# KiCad board hvd-50-ce-panel.kicad_pcb (continued)
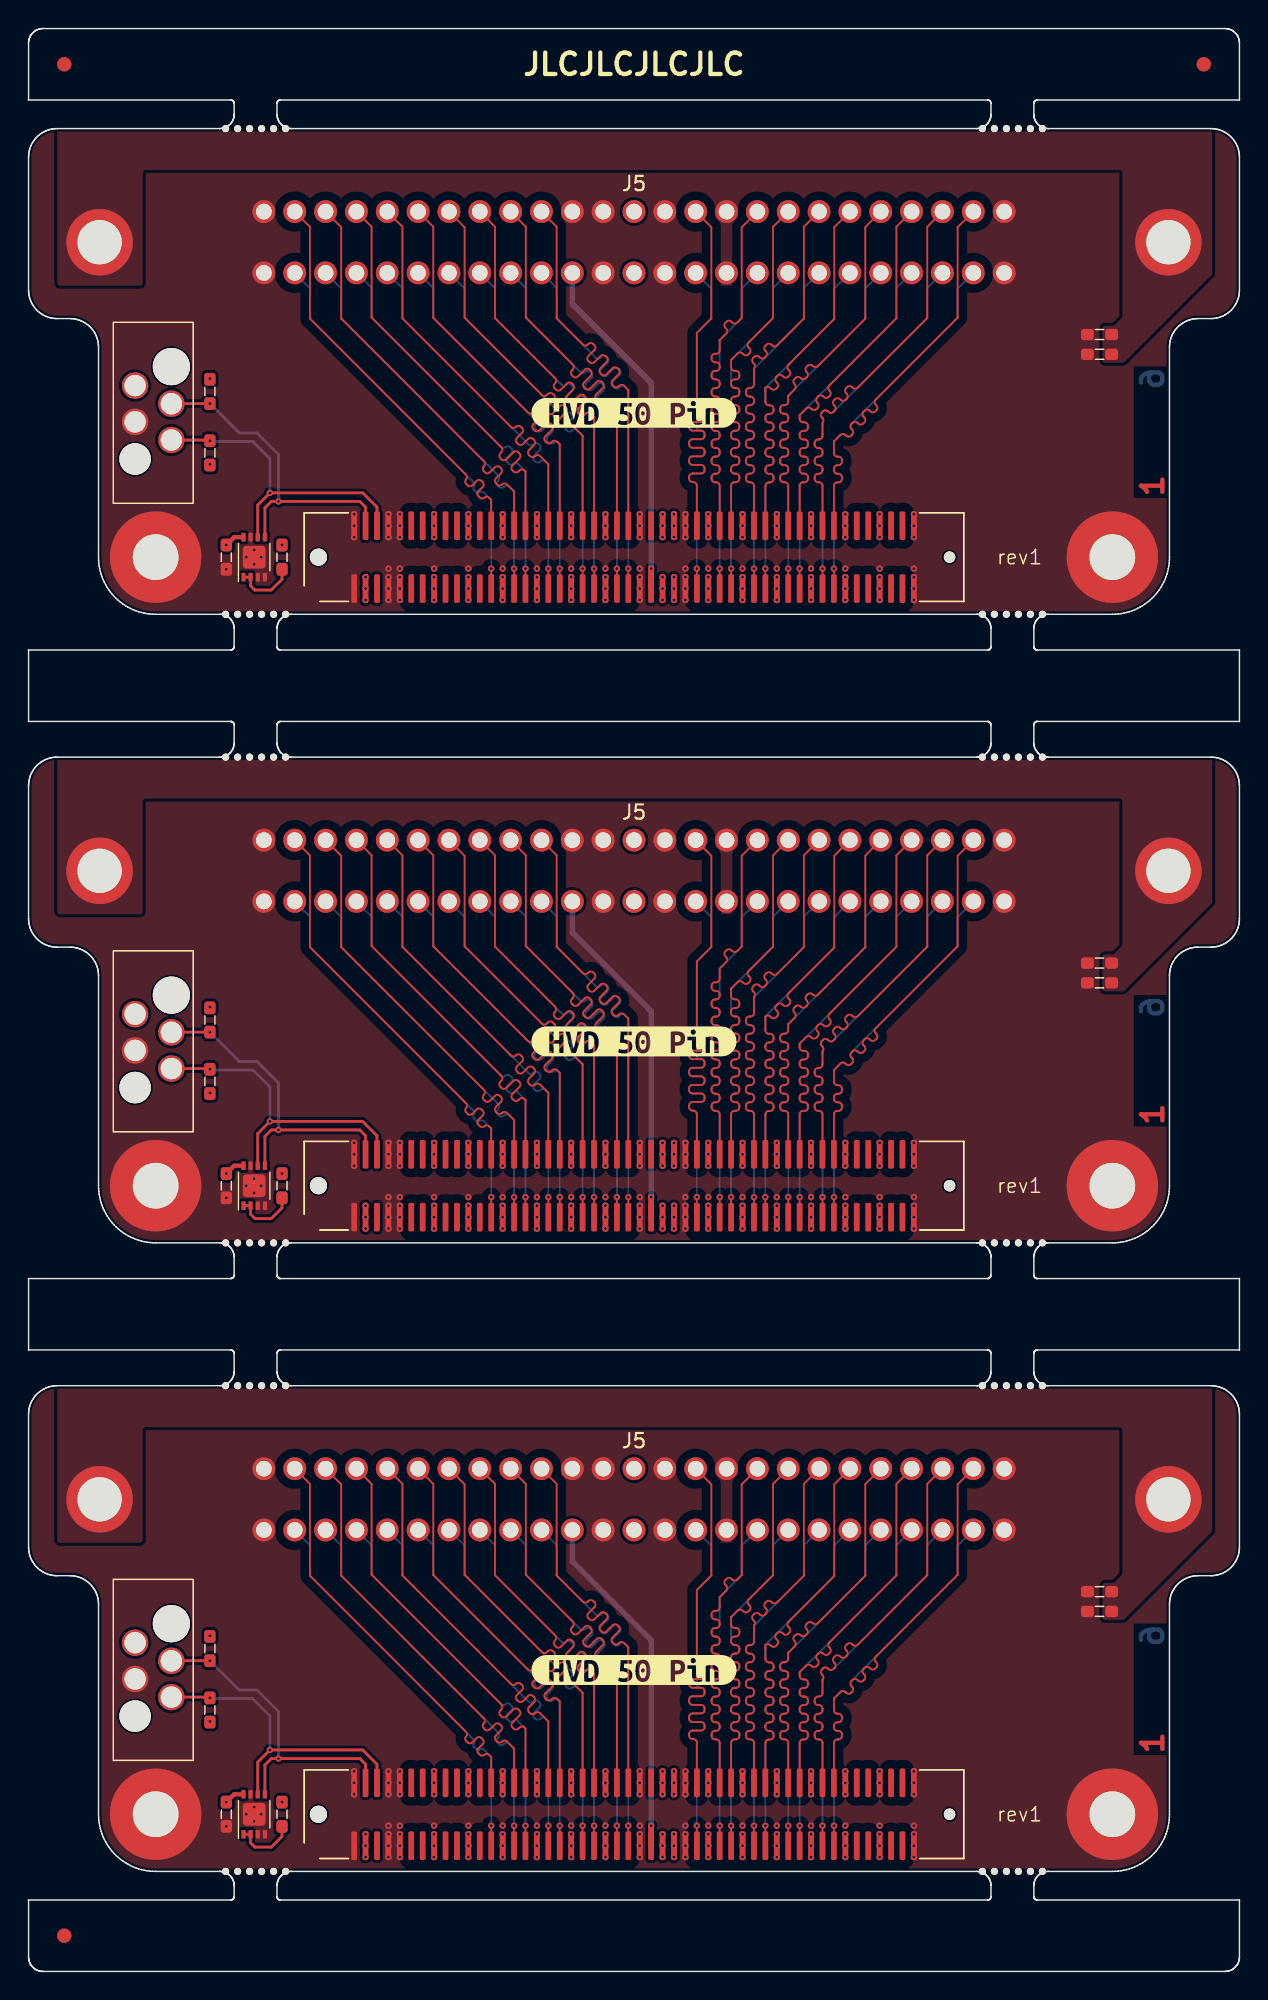
[diagram p0: board, top side]
## Routing (per net, layer and track width the routed paths; a pad name or vN(x,y) marks a point on that pad's centre or on a via; arc(x,y) is an arc through that point) (continued)
Board_0-/CON.ATN+: length 28.2
  Top w0.128: J1#2.61 v1(46.8,98.2)
  Bottom w0.128: J5#2.15 47.81,117.81 47.81,115.71 46.8,114.7 46.8,108.1 arc(46.87,107.93) 47.04,107.86 47.12,107.86 arc(47.29,107.79) 47.36,107.62 47.36,107.5 arc(47.29,107.33) 47.12,107.26 46.48,107.26 arc(46.31,107.19) 46.24,107.02 46.24,106.9 arc(46.31,106.73) 46.48,106.66 47.12,106.66 arc(47.29,106.59) 47.36,106.42 47.36,106.3 arc(47.29,106.13) 47.12,106.06 46.48,106.06 arc(46.31,105.99) 46.24,105.82 46.24,105.7 arc(46.31,105.53) 46.48,105.46 47.12,105.46 arc(47.29,105.39) 47.36,105.22 47.36,105.1 arc(47.29,104.93) 47.12,104.86 46.48,104.86 arc(46.31,104.79) 46.24,104.62 46.24,104.5 arc(46.31,104.33) 46.48,104.26 46.56,104.26 arc(46.73,104.19) 46.8,104.02 v1(46.8,98.2)
Board_0-/CON.ATN-: length 29.6
  Top w0.128: J1#2.62 46.8,104.02 arc(46.73,104.19) 46.56,104.26 46.5,104.26 arc(46.33,104.33) 46.26,104.5 46.26,104.62 arc(46.33,104.79) 46.5,104.86 47.1,104.86 arc(47.27,104.93) 47.34,105.1 47.34,105.22 arc(47.27,105.39) 47.1,105.46 46.5,105.46 arc(46.33,105.53) 46.26,105.7 46.26,105.82 arc(46.33,105.99) 46.5,106.06 47.1,106.06 arc(47.27,106.13) 47.34,106.3 47.34,106.42 arc(47.27,106.59) 47.1,106.66 46.5,106.66 arc(46.33,106.73) 46.26,106.9 46.26,107.02 arc(46.33,107.19) 46.5,107.26 47.1,107.26 arc(47.27,107.33) 47.34,107.5 47.34,107.62 arc(47.27,107.79) 47.1,107.86 46.5,107.86 arc(46.33,107.93) 46.26,108.1 46.26,108.22 arc(46.33,108.39) 46.5,108.46 47.1,108.46 arc(47.27,108.53) 47.34,108.7 47.34,108.82 arc(47.27,108.99) 47.1,109.06 47.04,109.06 arc(46.87,109.13) 46.8,109.3 46.8,114.7 47.82,115.72 47.82,122.1 J5#2.40
Board_0-/CON.BSY+: length 28.2
  Top w0.128: J1#2.65 v1(48.4,98.2)
  Bottom w0.128: v1(48.4,98.2) 48.4,104.01 arc(48.33,104.18) 48.16,104.25 48.08,104.25 arc(47.91,104.32) 47.84,104.49 47.84,104.61 arc(47.91,104.78) 48.08,104.85 48.16,104.85 arc(48.33,104.92) 48.4,105.09 48.4,105.21 arc(48.33,105.38) 48.16,105.45 48.08,105.45 arc(47.91,105.52) 47.84,105.69 47.84,105.81 arc(47.91,105.98) 48.08,106.05 48.16,106.05 arc(48.33,106.12) 48.4,106.29 48.4,106.41 arc(48.33,106.58) 48.16,106.65 48.08,106.65 arc(47.91,106.72) 47.84,106.89 47.84,107.01 arc(47.91,107.18) 48.08,107.25 48.16,107.25 arc(48.33,107.32) 48.4,107.49 48.4,107.61 arc(48.33,107.78) 48.16,107.85 48.08,107.85 arc(47.91,107.92) 47.84,108.09 47.84,108.21 arc(47.91,108.38) 48.08,108.45 48.16,108.45 arc(48.33,108.52) 48.4,108.69 48.4,108.81 arc(48.33,108.98) 48.16,109.05 48.08,109.05 arc(47.91,109.12) 47.84,109.29 47.84,109.41 arc(47.91,109.58) 48.08,109.65 48.16,109.65 arc(48.33,109.72) 48.4,109.89 48.4,110.01 arc(48.33,110.18) 48.16,110.25 48.08,110.25 arc(47.91,110.32) 47.84,110.49 47.84,110.61 arc(47.91,110.78) 48.08,110.85 48.16,110.85 arc(48.33,110.92) 48.4,111.09 48.4,111.21 arc(48.33,111.38) 48.16,111.45 48.08,111.45 arc(47.91,111.52) 47.84,111.69 47.84,111.81 arc(47.91,111.98) 48.08,112.05 48.16,112.05 arc(48.33,112.12) 48.4,112.29 48.4,114.2 49.94,115.74 49.94,117.8 J5#2.17
Board_0-/CON.BSY-: length 29.6
  Top w0.128: J5#2.42 49.94,122.1 49.94,115.75 49.62,115.43 arc(49.45,115.35) 49.28,115.43 49.22,115.49 arc(49.05,115.56) 48.88,115.49 48.8,115.4 arc(48.73,115.23) 48.8,115.06 48.86,115 arc(48.93,114.83) 48.86,114.66 48.4,114.2 48.4,113.48 arc(48.33,113.31) 48.16,113.24 48.07,113.24 arc(47.9,113.17) 47.83,113 47.83,112.88 arc(47.9,112.71) 48.07,112.64 48.16,112.64 arc(48.33,112.57) 48.4,112.4 48.4,112.28 arc(48.33,112.11) 48.16,112.04 48.07,112.04 arc(47.9,111.97) 47.83,111.8 47.83,111.68 arc(47.9,111.51) 48.07,111.44 48.16,111.44 arc(48.33,111.37) 48.4,111.2 48.4,111.08 arc(48.33,110.91) 48.16,110.84 48.07,110.84 arc(47.9,110.77) 47.83,110.6 47.83,110.48 arc(47.9,110.31) 48.07,110.24 48.16,110.24 arc(48.33,110.17) 48.4,110 48.4,109.88 arc(48.33,109.71) 48.16,109.64 48.07,109.64 arc(47.9,109.57) 47.83,109.4 47.83,109.28 arc(47.9,109.11) 48.07,109.04 48.16,109.04 arc(48.33,108.97) 48.4,108.8 48.4,108.68 arc(48.33,108.51) 48.16,108.44 48.07,108.44 arc(47.9,108.37) 47.83,108.2 47.83,108.08 arc(47.9,107.91) 48.07,107.84 48.16,107.84 arc(48.33,107.77) 48.4,107.6 48.4,107.48 arc(48.33,107.31) 48.16,107.24 48.07,107.24 arc(47.9,107.17) 47.83,107 47.83,106.88 arc(47.9,106.71) 48.07,106.64 48.16,106.64 arc(48.33,106.57) 48.4,106.4 48.4,106.28 arc(48.33,106.11) 48.16,106.04 48.07,106.04 arc(47.9,105.97) 47.83,105.8 47.83,105.68 arc(47.9,105.51) 48.07,105.44 48.16,105.44 arc(48.33,105.37) 48.4,105.2 48.4,105.08 arc(48.33,104.91) 48.16,104.84 48.07,104.84 arc(47.9,104.77) 47.83,104.6 47.83,104.48 arc(47.9,104.31) 48.07,104.24 48.16,104.24 arc(48.33,104.17) 48.4,104 J1#2.66
Board_0-/CON.C/D+: length 28.2
  Top w0.128: J1#2.79 v1(54,98.2)
  Bottom w0.128: J5#2.22 60.77,117.83 60.77,115.72 54,108.95 54,108.69 arc(54.07,108.52) 54.24,108.45 54.32,108.45 arc(54.49,108.38) 54.56,108.21 54.56,108.09 arc(54.49,107.92) 54.32,107.85 54.24,107.85 arc(54.07,107.78) 54,107.61 54,107.49 arc(54.07,107.32) 54.24,107.25 54.32,107.25 arc(54.49,107.18) 54.56,107.01 54.56,106.89 arc(54.49,106.72) 54.32,106.65 54.24,106.65 arc(54.07,106.58) 54,106.41 54,106.29 arc(54.07,106.12) 54.24,106.05 54.32,106.05 arc(54.49,105.98) 54.56,105.81 54.56,105.69 arc(54.49,105.52) 54.32,105.45 54.24,105.45 arc(54.07,105.38) 54,105.21 54,105.09 arc(54.07,104.92) 54.24,104.85 54.32,104.85 arc(54.49,104.78) 54.56,104.61 54.56,104.49 arc(54.49,104.32) 54.32,104.25 54.24,104.25 arc(54.07,104.18) 54,104.01 v1(54,98.2)
Board_0-/CON.C/D-: length 29.6
  Top w0.128: J5#2.47 60.78,122.13 60.78,115.73 56.16,111.11 56.07,111.02 arc(56,110.85) 56.07,110.68 56.11,110.64 arc(56.18,110.47) 56.11,110.3 56.03,110.22 arc(55.86,110.15) 55.69,110.22 55.65,110.26 arc(55.48,110.33) 55.31,110.26 55.22,110.17 arc(55.15,110) 55.22,109.83 55.26,109.79 arc(55.33,109.62) 55.26,109.45 55.18,109.37 arc(55.01,109.3) 54.84,109.37 54.8,109.41 arc(54.63,109.48) 54.46,109.41 54,108.95 54,108.68 arc(54.07,108.51) 54.24,108.44 54.35,108.44 arc(54.52,108.37) 54.59,108.2 54.59,108.08 arc(54.52,107.91) 54.35,107.84 54.24,107.84 arc(54.07,107.77) 54,107.6 54,107.48 arc(54.07,107.31) 54.24,107.24 54.35,107.24 arc(54.52,107.17) 54.59,107 54.59,106.88 arc(54.52,106.71) 54.35,106.64 54.24,106.64 arc(54.07,106.57) 54,106.4 54,106.28 arc(54.07,106.11) 54.24,106.04 54.35,106.04 arc(54.52,105.97) 54.59,105.8 54.59,105.68 arc(54.52,105.51) 54.35,105.44 54.24,105.44 arc(54.07,105.37) 54,105.2 54,105.08 arc(54.07,104.91) 54.24,104.84 54.35,104.84 arc(54.52,104.77) 54.59,104.6 54.59,104.48 arc(54.52,104.31) 54.35,104.24 54.24,104.24 arc(54.07,104.17) 54,104 J1#2.80
Board_0-/CON.DB0+: length 28.2
  Top w0.128: J1#2.25 v1(32.4,98.2)
  Bottom w0.128: J5#2.2 19.7,117.84 19.7,115.7 31.19,104.21 arc(31.24,104.09) 31.19,103.96 arc(31.14,103.84) 31.19,103.72 31.37,103.54 arc(31.49,103.49) 31.61,103.54 arc(31.74,103.59) 31.86,103.54 32.4,103 v1(32.4,98.2)
Board_0-/CON.DB0-: length 29.6
  Top w0.128: J1#2.26 32.4,103.01 32.24,103.17 arc(32.08,103.23) 31.93,103.17 arc(31.77,103.1) 31.61,103.17 31.49,103.28 arc(31.42,103.44) 31.49,103.6 31.81,103.92 arc(31.88,104.08) 31.81,104.24 31.71,104.35 arc(31.55,104.41) 31.38,104.35 31.07,104.03 arc(30.91,103.96) 30.75,104.03 30.64,104.13 arc(30.58,104.29) 30.64,104.45 arc(30.71,104.61) 30.64,104.77 19.7,115.71 19.7,122.13 J5#2.27
Board_0-/CON.DB1+: length 28.2
  Top w0.128: J1#2.29 v1(34,98.2)
  Bottom w0.128: J5#2.3 21.9,117.8 21.9,115.7 32.9,104.71 arc(32.97,104.54) 32.9,104.37 32.87,104.34 arc(32.8,104.17) 32.87,104 32.95,103.91 arc(33.12,103.84) 33.29,103.91 33.32,103.94 arc(33.49,104.01) 33.66,103.94 34,103.6 v1(34,98.2)
Board_0-/CON.DB1-: length 29.6
  Top w0.128: J5#2.28 21.9,122.1 21.9,115.71 31.81,105.8 31.89,105.71 arc(31.96,105.54) 31.89,105.37 31.88,105.36 arc(31.81,105.19) 31.88,105.02 31.96,104.94 arc(32.13,104.87) 32.3,104.94 32.67,105.3 arc(32.84,105.37) 33.01,105.3 33.09,105.22 arc(33.16,105.05) 33.09,104.88 32.73,104.51 arc(32.66,104.34) 32.73,104.17 32.81,104.09 arc(32.98,104.02) 33.15,104.09 33.16,104.1 arc(33.33,104.17) 33.5,104.1 34,103.6 J1#2.30
Board_0-/CON.DB2+: length 28.2
  Top w0.128: J1#2.31 v1(34.8,98.2)
  Bottom w0.128: J5#2.4 24.03,117.84 24.03,115.78 33.1,106.71 arc(33.25,106.64) 33.41,106.71 arc(33.56,106.77) 33.72,106.71 33.83,106.59 arc(33.9,106.44) 33.83,106.28 33.52,105.97 arc(33.45,105.82) 33.52,105.66 33.65,105.53 arc(33.8,105.47) 33.96,105.53 arc(34.11,105.6) 34.27,105.53 34.8,105 v1(34.8,98.2)
Board_0-/CON.DB2-: length 29.6
  Top w0.128: J5#2.29 24.02,122.13 24.02,115.78 33.11,106.69 arc(33.18,106.52) 33.11,106.35 33.04,106.27 arc(32.97,106.1) 33.04,105.93 33.12,105.85 arc(33.29,105.77) 33.46,105.85 33.96,106.34 arc(34.13,106.41) 34.3,106.34 34.38,106.26 arc(34.45,106.09) 34.38,105.92 33.88,105.42 arc(33.81,105.25) 33.88,105.08 33.97,105 arc(34.14,104.93) 34.31,105 34.39,105.08 arc(34.56,105.15) 34.73,105.08 34.8,105 J1#2.32
Board_0-/CON.DB3+: length 28.2
  Top w0.128: J1#2.35 v1(36.4,98.2)
  Bottom w0.128: J5#2.5 26.18,117.84 26.18,115.72 35.01,106.9 arc(35.18,106.83) 35.35,106.9 35.37,106.92 arc(35.54,106.99) 35.71,106.92 35.79,106.83 arc(35.86,106.66) 35.79,106.49 35.41,106.11 arc(35.34,105.94) 35.41,105.77 35.49,105.69 arc(35.66,105.62) 35.83,105.69 35.85,105.71 arc(36.02,105.78) 36.19,105.71 36.4,105.5 v1(36.4,98.2)
Board_0-/CON.DB3-: length 29.6
  Top w0.128: J1#2.36 36.4,105.5 35.82,106.08 arc(35.65,106.15) 35.48,106.08 35.47,106.07 arc(35.3,106) 35.13,106.07 35.04,106.15 arc(34.97,106.32) 35.04,106.49 35.41,106.86 arc(35.48,107.03) 35.41,107.2 35.32,107.28 arc(35.15,107.35) 34.98,107.28 34.62,106.92 arc(34.45,106.85) 34.28,106.92 34.19,107 arc(34.12,107.17) 34.19,107.34 34.56,107.71 arc(34.63,107.88) 34.56,108.05 34.47,108.13 arc(34.31,108.2) 34.14,108.13 34.12,108.12 arc(33.95,108.05) 33.78,108.12 26.18,115.72 26.18,122.13 J5#2.30
Board_0-/CON.DB4+: length 28.2
  Top w0.128: J1#2.37 v1(37.2,98.2)
  Bottom w0.128: v1(37.2,98.2) 37.2,106.9 37.1,107 arc(36.94,107.07) 36.77,107 arc(36.61,106.93) 36.44,107 36.34,107.1 arc(36.27,107.27) 36.34,107.43 36.67,107.76 arc(36.74,107.93) 36.67,108.09 36.58,108.18 arc(36.41,108.25) 36.25,108.18 35.92,107.86 arc(35.75,107.79) 35.59,107.86 35.49,107.95 arc(35.43,108.12) 35.49,108.28 arc(35.56,108.44) 35.49,108.61 28.35,115.75 28.35,117.83 J5#2.6
Board_0-/CON.DB4-: length 29.6
  Top w0.128: J1#2.38 37.2,106.9 37.01,107.09 arc(36.84,107.16) 36.67,107.09 36.61,107.03 arc(36.44,106.96) 36.27,107.03 36.18,107.11 arc(36.11,107.28) 36.18,107.45 36.65,107.92 arc(36.72,108.09) 36.65,108.26 36.56,108.34 arc(36.4,108.41) 36.23,108.34 35.76,107.88 arc(35.59,107.81) 35.42,107.88 35.34,107.96 arc(35.27,108.13) 35.34,108.3 35.8,108.77 arc(35.87,108.94) 35.8,109.11 35.72,109.19 arc(35.55,109.26) 35.38,109.19 35.31,109.13 arc(35.14,109.06) 34.97,109.13 28.34,115.76 28.34,122.13 J5#2.31
Board_0-/CON.DB5+: length 28.2
  Top w0.128: J1#2.41 v1(38.8,98.2)
  Bottom w0.128: J5#2.7 30.54,117.8 30.54,115.76 36.73,109.58 36.81,109.49 arc(36.88,109.32) 36.81,109.15 36.79,109.13 arc(36.72,108.96) 36.79,108.79 36.88,108.71 arc(37.05,108.64) 37.22,108.71 37.59,109.09 arc(37.76,109.16) 37.93,109.09 38.02,109 arc(38.09,108.83) 38.02,108.66 37.64,108.28 arc(37.57,108.11) 37.64,107.94 37.73,107.86 arc(37.9,107.79) 38.06,107.86 38.08,107.88 arc(38.25,107.95) 38.42,107.88 38.8,107.5 v1(38.8,98.2)
Board_0-/CON.DB5-: length 29.6
  Top w0.128: J1#2.42 38.8,107.5 37.99,108.31 arc(37.82,108.38) 37.65,108.31 37.57,108.23 arc(37.4,108.16) 37.23,108.23 37.14,108.31 arc(37.07,108.48) 37.14,108.65 37.65,109.16 arc(37.72,109.33) 37.65,109.5 37.56,109.58 arc(37.4,109.65) 37.23,109.58 36.72,109.08 arc(36.55,109.01) 36.38,109.08 36.3,109.16 arc(36.23,109.33) 36.3,109.5 36.8,110.01 arc(36.87,110.18) 36.8,110.35 36.72,110.43 arc(36.55,110.5) 36.38,110.43 36.29,110.35 arc(36.12,110.28) 35.95,110.35 35.87,110.43 30.54,115.77 30.54,122.1 J5#2.32
Board_0-/CON.DB6+: length 28.2
  Top w0.128: J1#2.43 v1(39.6,98.2)
  Bottom w0.128: v1(39.6,98.2) 39.6,108.8 39.37,109.04 arc(39.2,109.1) 39.03,109.04 arc(38.86,108.97) 38.69,109.04 38.6,109.12 arc(38.53,109.29) 38.6,109.46 38.94,109.8 arc(39.01,109.97) 38.94,110.13 38.85,110.22 arc(38.69,110.29) 38.52,110.22 38.18,109.89 arc(38.01,109.82) 37.84,109.89 37.76,109.97 arc(37.69,110.14) 37.76,110.31 38.09,110.65 arc(38.16,110.81) 38.09,110.98 38,111.07 arc(37.84,111.14) 37.67,111.07 arc(37.5,111) 37.33,111.07 32.66,115.74 32.66,117.84 J5#2.8
Board_0-/CON.DB6-: length 29.6
  Top w0.128: J5#2.33 32.66,122.13 32.66,115.74 36.88,111.52 arc(36.95,111.35) 36.88,111.18 36.85,111.15 arc(36.78,110.98) 36.85,110.81 36.93,110.73 arc(37.1,110.66) 37.27,110.73 37.71,111.17 arc(37.88,111.24) 38.05,111.17 38.13,111.08 arc(38.2,110.91) 38.13,110.74 37.7,110.3 arc(37.63,110.13) 37.7,109.96 37.78,109.88 arc(37.95,109.81) 38.12,109.88 38.56,110.32 arc(38.73,110.39) 38.9,110.32 38.98,110.23 arc(39.05,110.06) 38.98,109.89 38.51,109.42 arc(38.44,109.25) 38.51,109.08 38.59,109 arc(38.76,108.92) 38.93,109 39,109.06 arc(39.17,109.13) 39.34,109.06 39.6,108.8 J1#2.44
Board_0-/CON.DB7+: length 28.2
  Top w0.128: J1#2.47 v1(41.2,98.2)
  Bottom w0.128: v1(41.2,98.2) 41.2,109.4 40.68,109.92 arc(40.51,109.99) 40.34,109.92 40.33,109.9 arc(40.16,109.83) 39.99,109.9 39.9,109.99 arc(39.83,110.16) 39.9,110.33 40.28,110.7 arc(40.35,110.87) 40.28,111.04 40.19,111.13 arc(40.02,111.2) 39.85,111.13 39.48,110.75 arc(39.31,110.68) 39.14,110.75 39.05,110.83 arc(38.98,111) 39.05,111.17 39.43,111.55 arc(39.5,111.72) 39.43,111.89 39.34,111.97 arc(39.17,112.04) 39,111.97 38.99,111.96 arc(38.82,111.89) 38.65,111.96 34.82,115.78 34.82,117.84 J5#2.9
Board_0-/CON.DB7-: length 29.6
  Top w0.128: J1#2.48 41.2,109.4 40.58,110.02 arc(40.41,110.09) 40.24,110.02 40.17,109.95 arc(40,109.88) 39.83,109.95 39.75,110.04 arc(39.68,110.21) 39.75,110.38 40.22,110.86 arc(40.29,111.03) 40.22,111.2 40.14,111.28 arc(39.97,111.35) 39.8,111.28 39.32,110.8 arc(39.15,110.73) 38.98,110.8 38.9,110.89 arc(38.83,111.06) 38.9,111.23 39.38,111.7 arc(39.45,111.87) 39.38,112.04 39.29,112.13 arc(39.12,112.2) 38.95,112.13 38.47,111.65 arc(38.3,111.58) 38.13,111.65 38.05,111.74 arc(37.98,111.91) 38.05,112.08 38.12,112.14 arc(38.19,112.31) 38.12,112.48 34.82,115.78 34.82,122.13 J5#2.34
Board_0-/CON.DIFFSENSE: length 24.4
  Top w0.4: J1#2.53 v1(43.6,98.2)
  Bottom w0.4: v1(43.6,98.2) 43.6,111.2 38.08,116.72 J5#2.11
Board_0-/CON.DP0+: length 28.2
  Top w0.128: J1#2.49 v1(42,98.2)
  Bottom w0.128: J5#2.10 36.98,117.84 36.98,115.72 39.72,112.98 arc(39.89,112.91) 40.06,112.98 40.13,113.05 arc(40.3,113.12) 40.47,113.05 40.56,112.96 arc(40.63,112.79) 40.56,112.62 40.08,112.15 arc(40.01,111.98) 40.08,111.81 40.16,111.72 arc(40.33,111.65) 40.5,111.72 40.98,112.2 arc(41.15,112.27) 41.32,112.2 41.4,112.11 arc(41.47,111.94) 41.4,111.77 40.93,111.3 arc(40.86,111.13) 40.93,110.96 41.01,110.87 arc(41.18,110.8) 41.35,110.87 41.42,110.94 arc(41.59,111.01) 41.76,110.94 42,110.7 v1(42,98.2)
Board_0-/CON.DP0-: length 29.6
  Top w0.128: J5#2.35 36.98,122.13 36.98,115.72 38.82,113.88 arc(38.99,113.81) 39.16,113.88 39.21,113.93 arc(39.38,114) 39.55,113.93 39.63,113.84 arc(39.7,113.67) 39.63,113.5 39.2,113.07 arc(39.13,112.9) 39.2,112.73 39.28,112.65 arc(39.45,112.58) 39.62,112.65 40.05,113.08 arc(40.22,113.15) 40.39,113.08 40.48,113 arc(40.55,112.83) 40.48,112.66 40.05,112.22 arc(39.98,112.05) 40.05,111.88 40.13,111.8 arc(40.3,111.73) 40.47,111.8 40.9,112.23 arc(41.07,112.3) 41.24,112.23 41.33,112.15 arc(41.4,111.98) 41.33,111.81 40.89,111.37 arc(40.82,111.21) 40.89,111.04 40.98,110.95 arc(41.15,110.88) 41.32,110.95 41.37,111 arc(41.54,111.07) 41.7,111 42,110.7 J1#2.50
Board_0-/CON.I/O+: length 28.2
  Top w0.128: J1#2.85 v1(56.4,98.2)
  Bottom w0.128: J5#2.24 65.06,117.8 65.06,115.76 57.71,108.41 57.62,108.33 arc(57.55,108.16) 57.62,107.99 57.67,107.94 arc(57.74,107.77) 57.67,107.6 57.59,107.51 arc(57.42,107.44) 57.25,107.51 57.2,107.56 arc(57.03,107.63) 56.86,107.56 56.4,107.1 56.4,106.29 arc(56.47,106.12) 56.64,106.05 56.71,106.05 arc(56.88,105.97) 56.95,105.81 56.95,105.69 arc(56.88,105.52) 56.71,105.45 56.64,105.45 arc(56.47,105.37) 56.4,105.21 56.4,105.09 arc(56.47,104.92) 56.64,104.85 56.71,104.85 arc(56.88,104.77) 56.95,104.61 56.95,104.49 arc(56.88,104.32) 56.71,104.25 56.64,104.25 arc(56.47,104.17) 56.4,104.01 v1(56.4,98.2)
Board_0-/CON.I/O-: length 29.6
  Top w0.128: J5#2.49 65.06,122.1 65.06,115.77 59.41,110.11 59.32,110.02 arc(59.25,109.85) 59.32,109.68 59.38,109.62 arc(59.45,109.45) 59.38,109.28 59.3,109.2 arc(59.13,109.13) 58.96,109.2 58.9,109.26 arc(58.73,109.33) 58.56,109.26 58.47,109.17 arc(58.4,109) 58.47,108.83 58.53,108.77 arc(58.6,108.6) 58.53,108.44 58.45,108.35 arc(58.28,108.28) 58.11,108.35 58.05,108.41 arc(57.88,108.48) 57.71,108.41 57.62,108.33 arc(57.55,108.16) 57.62,107.99 57.68,107.93 arc(57.75,107.76) 57.68,107.59 57.6,107.5 arc(57.43,107.43) 57.26,107.5 57.2,107.56 arc(57.03,107.63) 56.86,107.56 56.4,107.1 56.4,106.28 arc(56.47,106.11) 56.64,106.04 56.72,106.04 arc(56.89,105.97) 56.96,105.8 56.96,105.68 arc(56.89,105.51) 56.72,105.44 56.64,105.44 arc(56.47,105.37) 56.4,105.2 56.4,105.08 arc(56.47,104.91) 56.64,104.84 56.72,104.84 arc(56.89,104.77) 56.96,104.6 56.96,104.48 arc(56.89,104.31) 56.72,104.24 56.64,104.24 arc(56.47,104.17) 56.4,104 J1#2.86
Board_0-/CON.MSG+: length 28.2
  Top w0.128: J1#2.73 v1(51.6,98.2)
  Bottom w0.128: v1(51.6,98.2) 51.6,104 arc(51.67,104.17) 51.84,104.24 51.93,104.24 arc(52.1,104.31) 52.17,104.48 52.17,104.6 arc(52.1,104.77) 51.93,104.84 51.84,104.84 arc(51.67,104.91) 51.6,105.08 51.6,105.2 arc(51.67,105.37) 51.84,105.44 51.93,105.44 arc(52.1,105.51) 52.17,105.68 52.17,105.8 arc(52.1,105.97) 51.93,106.04 51.84,106.04 arc(51.67,106.11) 51.6,106.28 51.6,106.4 arc(51.67,106.57) 51.84,106.64 51.93,106.64 arc(52.1,106.71) 52.17,106.88 52.17,107 arc(52.1,107.17) 51.93,107.24 51.84,107.24 arc(51.67,107.31) 51.6,107.48 51.6,107.6 arc(51.67,107.77) 51.84,107.84 51.93,107.84 arc(52.1,107.91) 52.17,108.08 52.17,108.2 arc(52.1,108.37) 51.93,108.44 51.84,108.44 arc(51.67,108.51) 51.6,108.68 51.6,108.8 arc(51.67,108.97) 51.84,109.04 51.93,109.04 arc(52.1,109.11) 52.17,109.28 52.17,109.4 arc(52.1,109.57) 51.93,109.64 51.84,109.64 arc(51.67,109.71) 51.6,109.88 51.6,110.85 56.42,115.67 56.42,117.8 J5#2.20
Board_0-/CON.MSG-: length 29.6
  Top w0.128: J1#2.74 51.6,103.99 arc(51.67,104.16) 51.84,104.23 51.94,104.23 arc(52.11,104.3) 52.18,104.47 52.18,104.59 arc(52.11,104.76) 51.94,104.83 51.84,104.83 arc(51.67,104.9) 51.6,105.07 51.6,105.19 arc(51.67,105.36) 51.84,105.43 51.94,105.43 arc(52.11,105.5) 52.18,105.67 52.18,105.79 arc(52.11,105.96) 51.94,106.03 51.84,106.03 arc(51.67,106.1) 51.6,106.27 51.6,106.39 arc(51.67,106.56) 51.84,106.63 51.94,106.63 arc(52.11,106.7) 52.18,106.87 52.18,106.99 arc(52.11,107.16) 51.94,107.23 51.84,107.23 arc(51.67,107.3) 51.6,107.47 51.6,107.59 arc(51.67,107.76) 51.84,107.83 51.94,107.83 arc(52.11,107.9) 52.18,108.07 52.18,108.19 arc(52.11,108.36) 51.94,108.43 51.84,108.43 arc(51.67,108.5) 51.6,108.67 51.6,108.79 arc(51.67,108.96) 51.84,109.03 51.94,109.03 arc(52.11,109.1) 52.18,109.27 52.18,109.39 arc(52.11,109.56) 51.94,109.63 51.84,109.63 arc(51.67,109.7) 51.6,109.87 51.6,110.85 arc(51.77,110.92) 51.94,110.85 52.01,110.78 arc(52.18,110.71) 52.35,110.78 52.43,110.87 arc(52.5,111.04) 52.43,111.21 52.36,111.28 arc(52.29,111.45) 52.36,111.62 52.45,111.7 arc(52.62,111.77) 52.79,111.7 52.86,111.63 arc(53.03,111.56) 53.2,111.63 53.28,111.72 arc(53.35,111.89) 53.28,112.06 53.21,112.12 arc(53.14,112.29) 53.21,112.46 56.42,115.68 56.42,122.1 J5#2.45
Board_0-/CON.REQ+: length 28.2
  Top w0.128: J1#2.83 v1(55.6,98.2)
  Bottom w0.128: J5#2.23 62.94,117.84 62.94,115.74 56.45,109.25 56.36,109.17 arc(56.19,109.1) 56.02,109.17 55.99,109.2 arc(55.82,109.27) 55.65,109.2 55.56,109.12 arc(55.49,108.95) 55.56,108.78 55.6,108.74 arc(55.67,108.57) 55.6,108.4 55.6,107.47 arc(55.53,107.3) 55.36,107.23 55.31,107.23 arc(55.14,107.16) 55.07,106.99 55.07,106.87 arc(55.14,106.7) 55.31,106.63 55.36,106.63 arc(55.53,106.56) 55.6,106.39 55.6,106.27 arc(55.53,106.1) 55.36,106.03 55.31,106.03 arc(55.14,105.96) 55.07,105.79 55.07,105.67 arc(55.14,105.5) 55.31,105.43 55.36,105.43 arc(55.53,105.36) 55.6,105.19 55.6,105.07 arc(55.53,104.9) 55.36,104.83 55.31,104.83 arc(55.14,104.76) 55.07,104.59 55.07,104.47 arc(55.14,104.3) 55.31,104.23 55.36,104.23 arc(55.53,104.16) 55.6,103.99 v1(55.6,98.2)
Board_0-/CON.REQ-: length 29.6
  Top w0.128: J1#2.84 55.6,104 arc(55.53,104.17) 55.36,104.24 55.29,104.24 arc(55.12,104.31) 55.05,104.48 55.05,104.6 arc(55.12,104.77) 55.29,104.84 55.36,104.84 arc(55.53,104.91) 55.6,105.08 55.6,105.2 arc(55.53,105.37) 55.36,105.44 55.29,105.44 arc(55.12,105.51) 55.05,105.68 55.05,105.8 arc(55.12,105.97) 55.29,106.04 55.36,106.04 arc(55.53,106.11) 55.6,106.28 55.6,106.4 arc(55.53,106.57) 55.36,106.64 55.29,106.64 arc(55.12,106.71) 55.05,106.88 55.05,107 arc(55.12,107.17) 55.29,107.24 55.36,107.24 arc(55.53,107.31) 55.6,107.48 55.6,108.4 arc(55.67,108.57) 55.6,108.74 55.55,108.79 arc(55.48,108.96) 55.55,109.13 55.63,109.22 arc(55.8,109.29) 55.97,109.22 56.02,109.17 arc(56.19,109.1) 56.36,109.17 56.45,109.25 arc(56.52,109.42) 56.45,109.59 56.4,109.64 arc(56.33,109.81) 56.4,109.98 56.48,110.07 arc(56.65,110.14) 56.82,110.06 56.87,110.01 arc(57.04,109.94) 57.21,110.01 57.3,110.1 arc(57.37,110.27) 57.3,110.44 57.25,110.49 arc(57.18,110.66) 57.25,110.83 57.33,110.91 arc(57.5,110.98) 57.67,110.91 57.72,110.86 arc(57.89,110.79) 58.06,110.86 62.94,115.74 62.94,122.13 J5#2.48
Board_0-/CON.RST+: length 28.2
  Top w0.128: J1#2.71 v1(50.8,98.2)
  Bottom w0.128: J5#2.19 54.3,117.84 54.3,115.7 50.8,112.2 50.8,111.07 arc(50.73,110.9) 50.56,110.83 50.48,110.83 arc(50.31,110.76) 50.24,110.59 50.24,110.47 arc(50.31,110.3) 50.48,110.23 50.56,110.23 arc(50.73,110.16) 50.8,109.99 50.8,109.87 arc(50.73,109.7) 50.56,109.63 50.48,109.63 arc(50.31,109.56) 50.24,109.39 50.24,109.27 arc(50.31,109.1) 50.48,109.03 50.56,109.03 arc(50.73,108.96) 50.8,108.79 50.8,108.67 arc(50.73,108.5) 50.56,108.43 50.48,108.43 arc(50.31,108.36) 50.24,108.19 50.24,108.07 arc(50.31,107.9) 50.48,107.83 50.56,107.83 arc(50.73,107.76) 50.8,107.59 50.8,107.47 arc(50.73,107.3) 50.56,107.23 50.48,107.23 arc(50.31,107.16) 50.24,106.99 50.24,106.87 arc(50.31,106.7) 50.48,106.63 50.56,106.63 arc(50.73,106.56) 50.8,106.39 50.8,106.27 arc(50.73,106.1) 50.56,106.03 50.48,106.03 arc(50.31,105.96) 50.24,105.79 50.24,105.67 arc(50.31,105.5) 50.48,105.43 50.56,105.43 arc(50.73,105.36) 50.8,105.19 50.8,105.07 arc(50.73,104.9) 50.56,104.83 50.48,104.83 arc(50.31,104.76) 50.24,104.59 50.24,104.47 arc(50.31,104.3) 50.48,104.23 50.56,104.23 arc(50.73,104.16) 50.8,103.99 v1(50.8,98.2)
Board_0-/CON.RST-: length 29.6
  Top w0.128: J1#2.72 50.8,104.01 arc(50.73,104.18) 50.56,104.25 50.48,104.25 arc(50.31,104.32) 50.24,104.49 50.24,104.61 arc(50.31,104.78) 50.48,104.85 50.56,104.85 arc(50.73,104.92) 50.8,105.09 50.8,105.21 arc(50.73,105.38) 50.56,105.45 50.48,105.45 arc(50.31,105.52) 50.24,105.69 50.24,105.81 arc(50.31,105.98) 50.48,106.05 50.56,106.05 arc(50.73,106.12) 50.8,106.29 50.8,106.41 arc(50.73,106.58) 50.56,106.65 50.48,106.65 arc(50.31,106.72) 50.24,106.89 50.24,107.01 arc(50.31,107.18) 50.48,107.25 50.56,107.25 arc(50.73,107.32) 50.8,107.49 50.8,107.61 arc(50.73,107.78) 50.56,107.85 50.48,107.85 arc(50.31,107.92) 50.24,108.09 50.24,108.21 arc(50.31,108.38) 50.48,108.45 50.56,108.45 arc(50.73,108.52) 50.8,108.69 50.8,108.81 arc(50.73,108.98) 50.56,109.05 50.48,109.05 arc(50.31,109.12) 50.24,109.29 50.24,109.41 arc(50.31,109.58) 50.48,109.65 50.56,109.65 arc(50.73,109.72) 50.8,109.89 50.8,110.01 arc(50.73,110.18) 50.56,110.25 50.48,110.25 arc(50.31,110.32) 50.24,110.49 50.24,110.61 arc(50.31,110.78) 50.48,110.85 50.56,110.85 arc(50.73,110.92) 50.8,111.09 50.8,112.21 arc(50.87,112.38) 50.8,112.55 50.74,112.61 arc(50.67,112.78) 50.74,112.95 50.82,113.03 arc(50.99,113.1) 51.16,113.03 51.22,112.97 arc(51.39,112.9) 51.56,112.97 51.65,113.06 arc(51.72,113.23) 51.65,113.4 51.59,113.46 arc(51.52,113.63) 51.59,113.8 51.67,113.88 arc(51.84,113.95) 52.01,113.88 52.07,113.82 arc(52.24,113.75) 52.41,113.82 54.3,115.71 54.3,122.13 J5#2.44
Board_0-/CON.SEL+: length 28.2
  Top w0.128: J1#2.77 v1(53.2,98.2)
  Bottom w0.128: J5#2.21 58.6,117.82 58.6,115.7 53.2,110.3 53.2,109.89 arc(53.13,109.72) 52.96,109.65 52.89,109.65 arc(52.72,109.58) 52.65,109.41 52.65,109.29 arc(52.72,109.12) 52.89,109.05 52.96,109.05 arc(53.13,108.98) 53.2,108.81 53.2,108.69 arc(53.13,108.52) 52.96,108.45 52.89,108.45 arc(52.72,108.38) 52.65,108.21 52.65,108.09 arc(52.72,107.92) 52.89,107.85 52.96,107.85 arc(53.13,107.78) 53.2,107.61 53.2,107.49 arc(53.13,107.32) 52.96,107.25 52.89,107.25 arc(52.72,107.18) 52.65,107.01 52.65,106.89 arc(52.72,106.72) 52.89,106.65 52.96,106.65 arc(53.13,106.58) 53.2,106.41 53.2,106.29 arc(53.13,106.12) 52.96,106.05 52.89,106.05 arc(52.72,105.98) 52.65,105.81 52.65,105.69 arc(52.72,105.52) 52.89,105.45 52.96,105.45 arc(53.13,105.38) 53.2,105.21 53.2,105.09 arc(53.13,104.92) 52.96,104.85 52.89,104.85 arc(52.72,104.78) 52.65,104.61 52.65,104.49 arc(52.72,104.32) 52.89,104.25 52.96,104.25 arc(53.13,104.18) 53.2,104.01 v1(53.2,98.2)
Board_0-/CON.SEL-: length 29.6
  Top w0.128: J1#2.78 53.2,104 arc(53.13,104.17) 52.96,104.24 52.87,104.24 arc(52.7,104.31) 52.63,104.48 52.63,104.6 arc(52.7,104.77) 52.87,104.84 52.96,104.84 arc(53.13,104.91) 53.2,105.08 53.2,105.2 arc(53.13,105.37) 52.96,105.44 52.87,105.44 arc(52.7,105.51) 52.63,105.68 52.63,105.8 arc(52.7,105.97) 52.87,106.04 52.96,106.04 arc(53.13,106.11) 53.2,106.28 53.2,106.4 arc(53.13,106.57) 52.96,106.64 52.87,106.64 arc(52.7,106.71) 52.63,106.88 52.63,107 arc(52.7,107.17) 52.87,107.24 52.96,107.24 arc(53.13,107.31) 53.2,107.48 53.2,107.6 arc(53.13,107.77) 52.96,107.84 52.87,107.84 arc(52.7,107.91) 52.63,108.08 52.63,108.2 arc(52.7,108.37) 52.87,108.44 52.96,108.44 arc(53.13,108.51) 53.2,108.68 53.2,108.8 arc(53.13,108.97) 52.96,109.04 52.87,109.04 arc(52.7,109.11) 52.63,109.28 52.63,109.4 arc(52.7,109.57) 52.87,109.64 52.96,109.64 arc(53.13,109.71) 53.2,109.88 53.2,110.3 53.66,110.76 arc(53.73,110.93) 53.66,111.1 53.63,111.13 arc(53.56,111.3) 53.63,111.47 53.71,111.56 arc(53.88,111.63) 54.05,111.56 54.08,111.53 arc(54.25,111.45) 54.42,111.53 54.51,111.61 arc(54.58,111.78) 54.51,111.95 54.48,111.98 arc(54.41,112.15) 54.48,112.32 54.56,112.4 arc(54.73,112.47) 54.9,112.4 54.93,112.37 arc(55.1,112.3) 55.27,112.37 58.6,115.7 58.6,122.11 J5#2.46
Board_0-/CON.TERMPWR:
  vias: v1(44.4,102) v1(44.4,101.2) v1(44.4,100.4) v1(44.4,97.6) v1(44.4,96.8) v1(44.4,96) v1(45.2,102) v1(45.2,101.2) v1(45.2,100.4) v1(45.2,97.6) v1(45.2,96.8) v1(45.2,96)
Board_0-/PHY.ID_SCL: length 22.5
  Top w0.2: U1#3.6 16.05,102.65 v1(16.9,103.5) 23.4,103.5 24.4,102.5 J1#2.6 ; J3#2.4 12.3,107.2 12.35,107.15 v1(12.7,107.15)
  Bottom w0.2: v1(12.7,107.15) 12.75,107.1 15.7,107.1 16.9,105.9 v1(16.9,103.5)
Board_0-/PHY.ID_SDA: length 23
  Top w0.2: v1(12.7,109.75) 10.01,109.75 J3#2.2 ; U1#3.5 16.55,102.45 17,102.9 23.2,102.9 23.6,102.5 J1#2.4
  Bottom w0.2: v1(17.5,102.9) 17.5,106.2 16,107.7 14.75,107.7 v1(12.7,109.75)
Board_0-GND:
  vias: v1(13.85,98.15) v1(15.25,99) v1(15.8,99.5) v1(15.8,98.5) v1(16.3,99) v1(22.8,102) v1(22.8,101.2) v1(22.8,100.4) v1(25.2,102) v1(25.2,101.2) v1(25.2,100.4) v1(25.2,98.2) v1(25.2,97.6) v1(25.2,96.8) v1(25.2,96) v1(26,102) v1(26,101.2) v1(26,100.4) v1(26,98.2) v1(26,97.6) v1(26,96.8) v1(26,96) v1(28.4,102) v1(28.4,101.2) v1(28.4,100.4) v1(28.4,98.2) v1(28.4,97.6) v1(28.4,96.8) v1(28.4,96) v1(30.8,102) v1(30.8,101.2) v1(30.8,100.4) v1(30.8,98.2) v1(30.8,97.6) v1(30.8,96.8) v1(30.8,96) v1(33.2,102) v1(33.2,101.2) v1(33.2,100.4) v1(33.2,98.2) v1(33.2,97.6) v1(33.2,96.8) v1(33.2,96) v1(35.6,102) v1(35.6,101.2) v1(35.6,100.4) v1(35.6,98.2) v1(35.6,97.6) v1(35.6,96.8) v1(35.6,96) v1(38,102) v1(38,101.2) v1(38,100.4) v1(38,98.2) v1(38,97.6) v1(38,96.8) v1(38,96) v1(40.4,102) v1(40.4,101.2) v1(40.4,100.4) v1(40.4,98.2) v1(40.4,97.6) v1(40.4,96.8) v1(40.4,96) v1(42.8,102) v1(42.8,101.2) v1(42.8,100.4) v1(42.8,98.2) v1(42.8,97.6) v1(42.8,96.8) v1(42.8,96) v1(46,102) v1(46,101.2) v1(46,100.4) v1(46,98.2) v1(46,97.6) v1(46,96.8) v1(46,96) v1(47.6,102) v1(47.6,101.2) v1(47.6,100.4) v1(47.6,98.2) v1(47.6,97.6) v1(47.6,96.8) v1(47.6,96) v1(50,102) v1(50,101.2) v1(50,100.4) v1(50,98.2) v1(50,97.6) v1(50,96.8) v1(50,96) v1(52.4,102) v1(52.4,101.2) v1(52.4,100.4) v1(52.4,98.2) v1(52.4,97.6) v1(52.4,96.8) v1(52.4,96) v1(54.8,102) v1(54.8,101.2) v1(54.8,100.4) v1(54.8,98.2) v1(54.8,97.6) v1(54.8,96.8) v1(54.8,96) v1(57.2,102) v1(57.2,101.2) v1(57.2,100.4) v1(57.2,98.2) v1(57.2,97.6) v1(57.2,96.8) v1(57.2,96) v1(59.6,102) v1(59.6,101.2) v1(59.6,100.4) v1(59.6,98.2) v1(59.6,97.6) v1(59.6,96.8) v1(59.6,96) v1(62,102) v1(62,101.2) v1(62,100.4) v1(62,98.2) v1(62,97.6) v1(62,96.8) v1(62,96)
Board_0-Net-(U1-E0): length 4.4
  Top w0.2: R1#3.1 17.75,97.45 17,96.7 15.85,96.7 15.55,97 U1#3.2 U1#3.1
